# Altium PCB SDR_V21.PcbDoc (part 3 of 4) (continued)
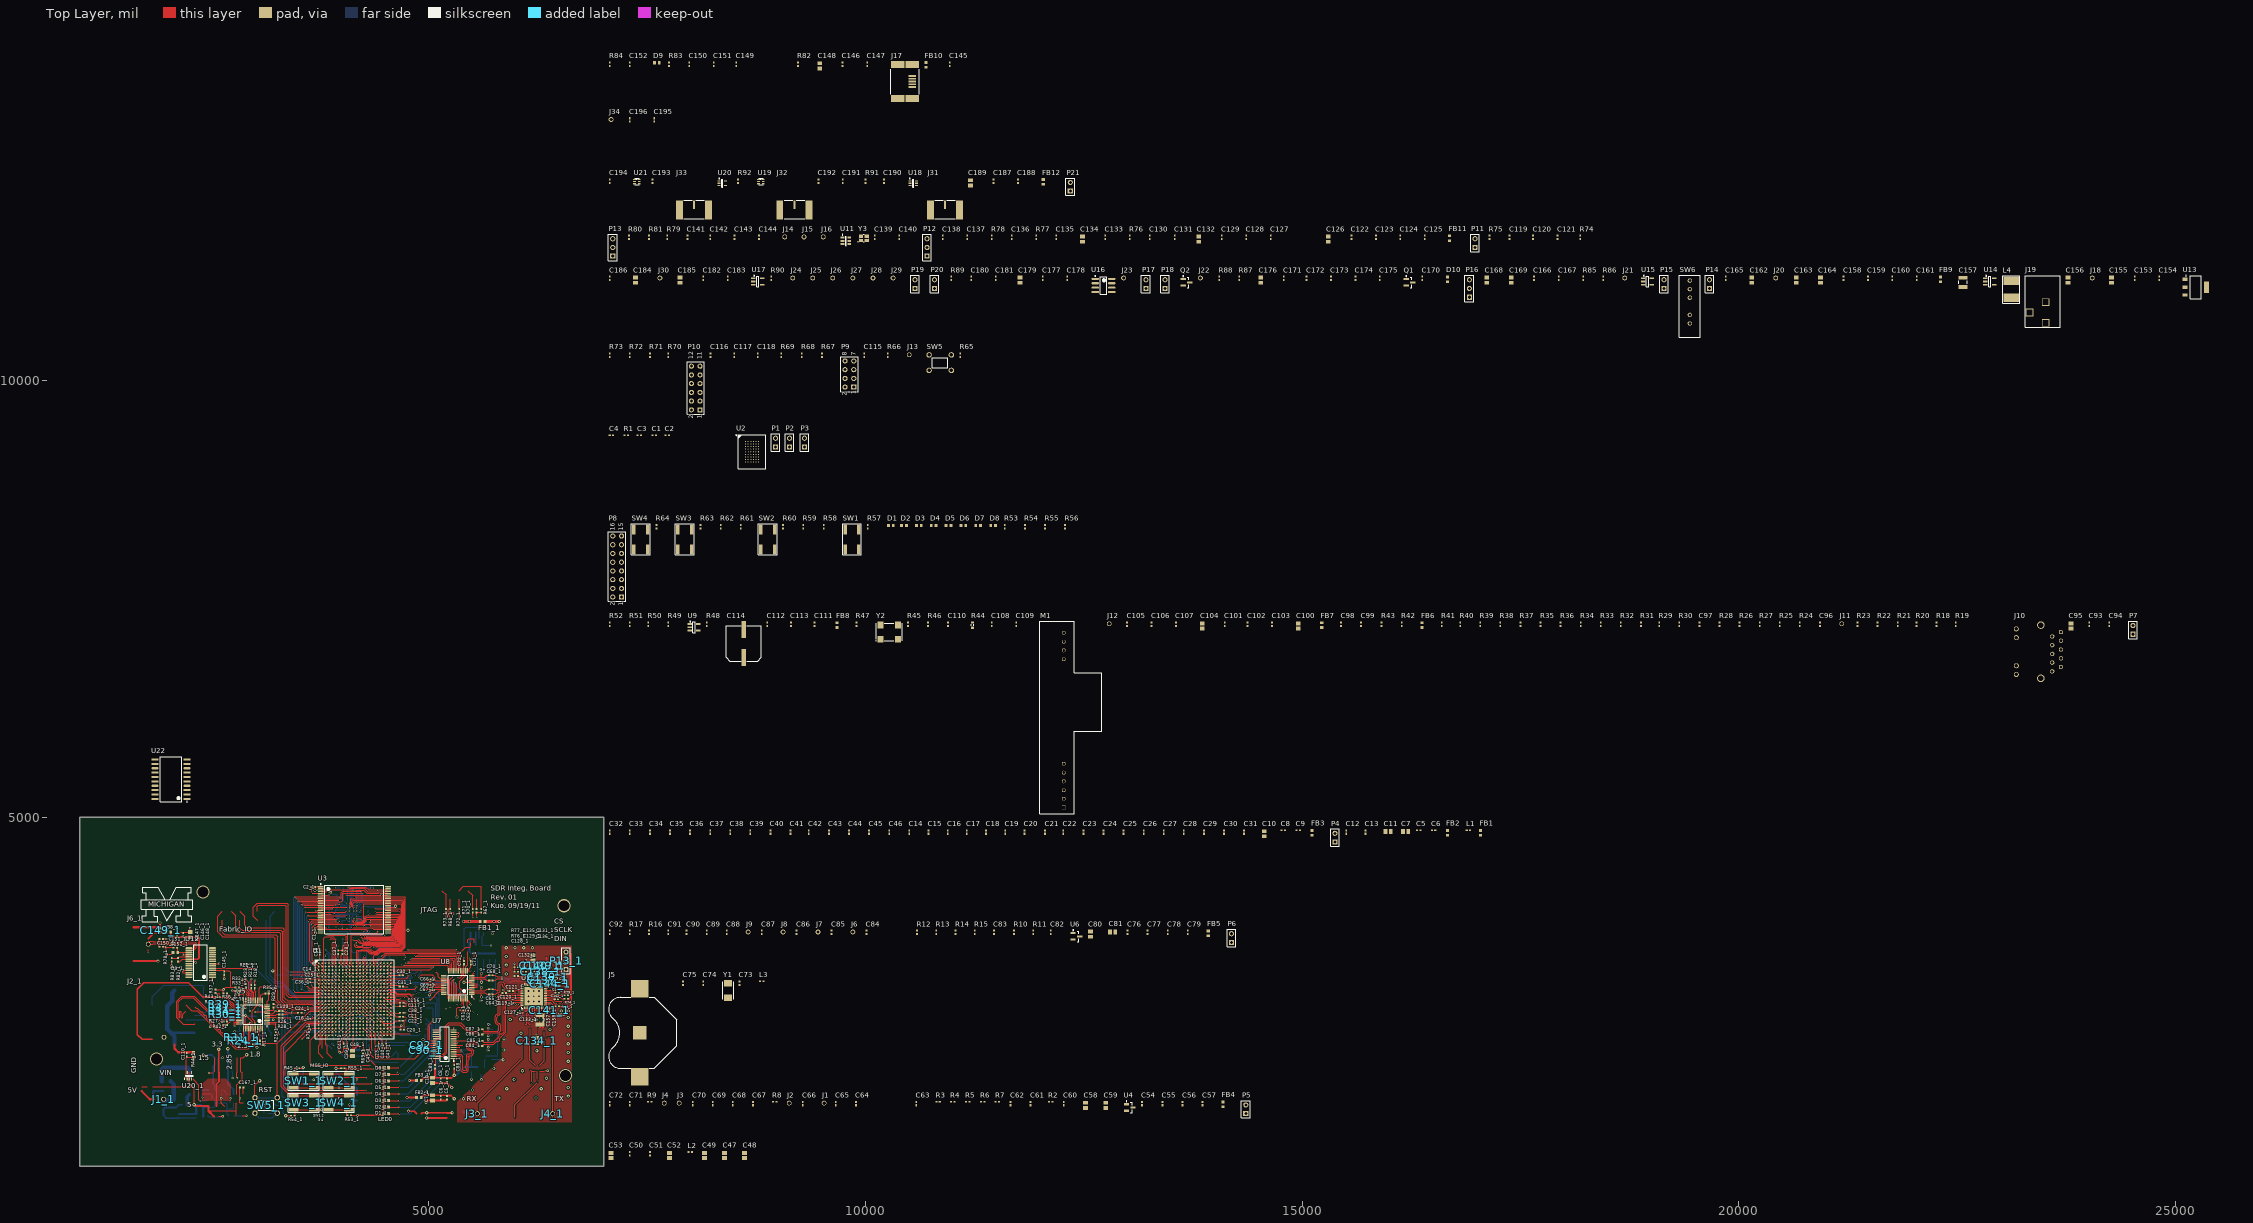
[diagram p0: Top Layer view]
## Nets (pads, with @x,y where several pads share a name; then routed paths per layer and width w, separated by ;. In a path a pad name is that pad's centre, name@x,y a point inside that pad or via, vN(x,y) a via of type N, cw(c..) or ccw(c..) an arc to the next point about the centre after c; other vN are vias at no path point) (continued)
v1(4464.96,2954.37) ; 4445.28,2974.06 v1(4464.96,2993.74) ; 4445.28,3013.43 v1(4464.96,3033.11) ; 4445.28,3052.8 v1(4464.96,3072.48) ; 4445.28,3092.17 v1(4465,3111.89) ; 4445.28,3131.54 4463.74,3150 v1(4465,3150) ; 4445.28,3170.91 v1(4464.96,3190.59) ; 4445.28,3249.65 v1(4465,3269.37) ; 4445.28,3289.02 v1(4464.96,3308.7) ; 4445.28,3328.39 v1(4464.96,3348.07) ; v1(4460,3405) 4460.5,3404.5 4496.5,3440.5 5339.5,3440.5 5359.53,3420.47 5359.53,3241.42 ; 4484.65,2619.72 v1(4504.33,2600.04) ; 4484.65,2816.57 v1(4504.33,2796.89) ; 4484.65,2855.95 v1(4504.33,2836.26) ; 4484.65,2895.32 v1(4504.33,2875.63) ; 4484.65,2934.69 4504.33,2915 4595,2915 4610,2900 4735,2900 4805,2830 4805,2720 v1(4830,2695) ; 4484.65,2974.06 v1(4504.33,2993.74) ; 4484.65,3013.43 v1(4505,3033.78) ; 4484.65,3052.8 v1(4505,3073.15) ; 4484.65,3092.17 v1(4505,3112.52) ; 4484.65,3131.54 v1(4504.33,3151.22) ; 4484.65,3289.02 v1(4504.33,3308.7) ; v1(4505,2445) 4510,2440 4510,2399.69 ; 4522.95,3930.16 4530.83,3930.16 v1(4659.84,3930.16) ; 4524.02,2737.83 v1(4543.7,2718.15) ; 4524.02,2777.2 v1(4543.7,2757.52) 4582.48,2757.52 4625,2715 4665.31,2715 ; 4524.02,2816.57 v1(4543.7,2796.89) ; 4524.02,2895.32 v1(4543.7,2875.63) 4660.94,2875.63 ; 4524.02,2934.69 4543.7,2954.37 4740.63,2954.37 4809.5,2885.5 4809.5,2849.5 4855,2804 v1(4855,2635) ; 4524.02,2974.06 4543.7,2993.74 4601.26,2993.74 4625,2970 4775,2970 4850,2895 v1(4850,2840) ; 4524.02,3013.43 4541.36,3030.77 4835.77,3030.77 v1(4860,3055) ; 4524.02,3052.8 v1(4543.7,3072.48) 4652.83,3072.48 4665.31,3060 ; 4524.02,3092.17 4545,3113.15 4601.85,3113.15 v1(4625,3090) ; 4524.02,3131.54 4543.7,3151.22 4741.22,3151.22 4760,3170 v1(4760,3190) ; 4524.02,3170.91 v1(4543.7,3190.59) 4669.72,3190.59 ; 4524.02,3210.28 v1@4546.04,3232.3 ; 4524.02,3249.65 v1(4544.37,3270) ; 4524.02,3289.02 v1(4543.7,3308.7) ; 4537.56,1605 v1(4660,1605) ; 4537.56,1680 v1(4660,1680) ; 4537.56,1755 v1(4660,1755) ; 4537.56,1905 v1(4660,1905) ; 4537.56,1980 v1(4660,1980) ; 4537.56,2055 v1(4660,2055) ; 4537.56,2130 v1(4660,2130) ; 4542.56,1830 v1(4660,1830) ; v1(4543.7,2560.67) 4524.02,2580.35 4543.66,2600 4660,2600 4675.31,2584.69 4675.31,2565 ; 4563.39,2501.61 v1(4583.07,2481.93) ; 4563.39,2580.35 v1(4583.07,2560.67) ; 4563.39,2698.46 v1(4583.07,2678.78) ; 4563.39,2737.83 v1(4583.07,2718.15) ; 4563.39,2816.57 v1@4588.43,2816.57 ; 4563.39,2855.95 v1(4583.07,2836.26) ; 4563.39,2934.69 4605.31,2934.69 4625,2915 v1@4665,2915 ; 4563.39,2974.06 v1(4589.06,2974.06) ; 4563.39,3013.43 4601.57,3013.43 4635,2980 4779.14,2980 4794.14,2965 v1(4825,2965) ; 4563.39,3052.8 v1(4587.8,3052.8) ; 4563.39,3092.17 v1(4587.83,3092.17) ; 4563.39,3210.28 v1(4583.07,3229.96) 4694.04,3229.96 4699.69,3224.32 4699.69,3190 ; 4563.39,3249.65 5010,3249.65 v1@5030.35,3270 ; 4563.39,3289.02 v1(5055.98,3289.02) ; 4563.39,3328.39 v1(4583.07,3348.07) ; v1(4619,2836) 4620,2835 4670.31,2835 ; v1(4619.5,2755.5) 4665.81,2755.5 ; 4670.31,2845 4670.31,2875 ; 4704.69,2675 4699.69,2670 4724,2670 ; 4704.69,2715 v1(4739,2715) ; 4704.69,2755 4708.69,2759 v1(4736,2759) ; 4704.69,3060 4745,3060 v1(4750.5,3054.5) ; 4709.69,2835 4740,2835 v1(4740,2871) 4736,2875 4709.69,2875 ; v1(4710,3305) 5211.73,3305 5221.73,3295 5221.73,3241.42 ; 4714.69,2565 4714.69,2660.68 4724,2670 ; v1(4735,3325) 5226.42,3325 5241.42,3310 5241.42,3241.42 ; v1(4740,2686) 4724,2670 ; v1(4760,3345) 5246.1,3345 5261.1,3330 5261.1,3241.42 ; v1(4760,3480) v1(5310,3480) ; v1(4785,3365) 5265,3365 5280.79,3349.21 5280.79,3241.42 ; v1(4810,3385) 5290,3385 5300.47,3374.53 5300.47,3241.42 ; v1(4835,3405) 5310,3405 5320.16,3394.84 5320.16,3241.42 ; v1(4860,3425) 5325,3425 5339.84,3410.16 5339.84,3241.42 ; v1(4938,3035) 4997.44,3035 5012.44,3020 ; 4955.31,2387.5 4955.31,2369.69 4962.5,2362.5 5077.64,2362.5 5138.5,2362.5 v1(5139,2363) ; v1(4974,3074) 4976,3076 5008.44,3076 ; v1(4974,3145.5) 4979.5,3140 5012.44,3140 ; v1(5010,2605) 5010,2447.48 5020,2437.48 5075.49,2437.48 ; v1(5011,2907) 5012,2906 5117.1,3011.1 5168.58,3011.1 ; 5012.44,3080 5008.44,3076 ; v1(5035,2655) 4990,2610 4990,2430 5007.52,2412.48 5075.49,2412.48 ; v1(5075,3230) 5105,3200 5105,3170 5126.1,3148.9 5168.58,3148.9 5170.21,3150.53 5210.47,3150.53 5210.47,3109.53 5168.58,3109.53 ; 5075.49,2462.48 5132.52,2462.48 v1(5135,2460) ; 5075.49,2487.48 5132.52,2487.48 v1(5135,2485) ; 5075.49,2512.48 5132.52,2512.48 v1(5135,2510) ; 5075.49,2562.48 v1(5132.48,2562.48) ; 5077.97,2535 v1(5135,2535) ; 5168.58,3050.47 5033.97,3050.47 5008.44,3076 ; v1(5195,3855) 5195,3910.31 ; v1(5220,3180) 5221.73,3178.27 5221.73,2919.57 5221.73,2918.58 ; 5240,2920 5240,3140 v1(5265,3165) ; v1(5245,3855) 5220,3880 5220,3945 5224.69,3949.69 5245,3949.69 ; 5245,3910.32 5271.69,3910.32 5285,3897 v1(5285,3889) ; 5261.1,2918.58 5261.1,2919.57 5261.1,3121.1 v1(5265,3125) ; 5280.79,2918.58 5280.79,2919.57 5280.79,3135.79 v1(5290,3145) ; 5284.51,2312.5 v1(5374.5,2312.5) ; 5284.51,2362.5 5357.5,2362.5 v1(5360,2365) ; 5284.51,2387.5 v1@5392.5,2387.5 ; 5284.51,2412.48 5326.48,2412.48 v1(5330,2416) ; 5284.51,2437.48 v1@5427.48,2437.48 ; 5284.51,2487.48 5339.52,2487.48 5339.52,2511.48 v1(5339,2512) ; 5284.51,2537.48 5337.52,2537.48 5339,2536 v1(5339,2512) ; 5284.99,2512 v1(5339,2512) ; 5285,2562.97 v1(5285,2585) ; v1(5293,3190) 5369,3190 5379.21,3200.21 5379.21,3240.43 5379.21,3241.42 ; v1(5300,3105) 5300.47,3104.53 5300.47,2918.58 ; 5320,2918.74 v1(5320,3085) ; 5339.84,2918.58 5339.84,2969.84 v1(5365,2995) ; v1(5345,3855) 5345,3910.31 ; 5345,4160 5391,4206 5590,4206 5600,4196 5600,3949.69 ; 5359.53,2918.58 5359.53,2919.57 5359.53,2969.53 5365,2975 v1(5385,2975) ; v1(5369,2852) 5379.21,2862.21 5379.21,2918.58 ; v1(5420,3152) 5442.79,3129.21 5490.43,3129.21 5491.42,3129.21 ; v1(5435,3030) 5435.79,3030.79 5490.43,3030.79 5491.42,3030.79 ; v1(5441,3610) 5442.6,3608.4 5442.6,3559.21 ; v1@5442.8,3608.6 5517.4,3608.6 5517.4,3559.21 ; 5491.42,2971.73 5491.42,2945.42 v1(5519,2917.83) ; 5491.42,3188.27 5521,3217.85 v1(5521,3223) ; v1(5500,3855) 5500,3910.32 ; v1(5516,3404) 5517.4,3405.4 5517.4,3460.79 ; v1(5545,3855) 5545,3910.31 ; v1(5771,2945) 5779.39,2945 5806.89,2972.5 5827.81,2972.5 5840.31,2985 ; v1(5895,3010) 5920.31,3010 ; v1(5905,2845) 5905,2854.68 5920.31,2870 ; v1(5965,2760) 6046.73,2841.73 6065.16,2841.73 ; v1(6035.5,2855) 6035.5,2860.5 6036.42,2861.42 6067.13,2861.42 ; 6111.42,2817.13 6111.42,2788.58 ; v1(6115,2770) 6111.42,2773.58 6111.42,2788.58 ; 6131.1,2817.13 6131.1,2791.1 6128.58,2788.58 6111.42,2788.58 ; v1(6175,1960) 6175,2090.32 ; v1(6190,2770) 6190.16,2770.16 6190.16,2817.13 ; 6229.53,2817.13 6229.53,2745.47 v1(6235,2745.5) ; v1(6285.9,2774) 6288.58,2776.69 6288.58,2817.13 ; v1(6310,2760) 6310,2813.43 ; 6332.87,2900.79 6404.21,2900.79 6440,2865 v1(6470,2865) ; 6489.69,2835 6605,2835 6635,2865 6635,3440 ; 6589.69,2920 6610,2920 6625,2935 6625,3325 ; 6589.69,2960 6589.69,2985.31
  Top Layer w8: v3@1994,3510 2075.32,3510 ; 2114.69,3510 2122.56,3502.13 2122.56,3460 ; 2215,2780 2180,2745 2180,2710 2175,2705 2165,2705 2160,2710 2160,2775 2145,2775 2145,2710 2137.73,2702.73 2130,2710.46 2130,2885 2177.27,2932.27 2302.27,2932.27 2543.76,2690.79 2823.58,2690.79 ; 2215,2851.65 2285,2781.65 2347.9,2781.65 2782.54,2347 2929.09,2347 2954.63,2372.54 2954.63,2539.16 2955.47,2540 2955.47,2578.58 ; 2215,2878.3 2215,2880 ; 2315,2631.7 2315,2630 2185,2630 2112,2703 2112,2892.46 2169.82,2950.27 2309.73,2950.27 2549.53,2710.47 2823.58,2710.47 ; 2315,2830 2333.56,2811.44 2343.56,2811.44 2392.1,2762.9 cw(c2402,2753) 2411.9,2743.1 2431.7,2723.3 cw(c2441.6,2713.4) 2451.49,2703.51 2471.29,2683.71 cw(c2481.19,2673.81) 2491.09,2663.91 2510.89,2644.11 cw(c2520.79,2634.21) 2530.69,2624.31 2550.49,2604.51 cw(c2560.39,2594.61) 2570.29,2584.71 2590.09,2564.91 cw(c2599.99,2555.01) 2609.89,2545.11 2629.69,2525.31 cw(c2639.59,2515.41) 2649.48,2505.52 2669.28,2485.72 cw(c2679.18,2475.82) 2689.08,2465.92 2708.88,2446.12 cw(c2718.78,2436.22) 2728.68,2426.32 2790,2365 2921.63,2365 2936.63,2380 2936.63,2539.16 2935.79,2540 2935.79,2578.58 ; 2604.68,2900 2695,2900 2786.1,2808.9 2823.58,2808.9 ; 2604.69,2940 2680.31,2940 2791.72,2828.58 2823.58,2828.58 ; 2684.69,2620 2735.79,2671.1 2823.58,2671.1 ; 2684.69,2660 2684.69,2688.47 ; 2684.69,2710.79 2684.69,2740 ; 2685,2780 2735,2780 2765.16,2749.84 2823.58,2749.84 ; 2685,2820 2725,2820 2775.47,2769.53 2823.58,2769.53 ; 2685,2860 2715,2860 2785.79,2789.21 2823.58,2789.21 ; 2685,2980 2691.85,2980 2823.58,2848.27 ; 2824.69,3010 2865,3010 2916.1,2958.9 2916.1,2901.42 ; 2824.69,3050 2855,3050 2935.79,2969.21 2935.79,2901.42 ; v1(2825,2945) 2825,2950 2824.69,2950.31 2824.69,2970 2865,2970 2876.73,2958.27 2876.73,2901.42 ; 2904.69,3140 2935,3109.69 2935,3030.11 2975.16,2989.96 2975.16,2901.42 ; 2905,2439.69 2936.32,2439.69 ; 2905,3050.31 2905,3030 2955.47,2979.53 2955.47,2901.42 ; 2954.94,2439.69 2985,2439.69 ; 2965,3040.31 2965,3020 2994.84,2990.16 2994.84,2901.42 ; 3005,3040.31 3005,3010 3014.53,3000.47 3014.53,2901.42 ; 3073.58,2901.42 3073.58,2958.58 3095,2980 3125.31,2980 ; 3146.42,2631.73 3233.27,2631.73 3245,2620 3245,2579.68 ; 3146.42,2710.47 3244.53,2710.47 3255,2700 3285.31,2700 ; 3146.42,2730.16 3245.16,2730.16 3255,2740 3285.31,2740 ; 3147.2,2790 3146.42,2789.21 3214.21,2789.21 3220,2795 3220,2820.31 ; v3(4927,3069) 4927,3081 4956,3110 5037.56,3110 5067.56,3080 ; 5980.31,3230 v3(5980.31,3320.68) ; 6102.44,2625.59 6117,2625.59 6117,2747 6150.79,2780.79 6150.79,2817.13 ; v1(6131,3113) 6131.1,3112.9 6131.1,3082.87 ; 6155,2435.32 6155,2218.86 6215.39,2158.46 ; 6157.56,2477.24 6157.56,2574.41 ; 6157.56,2625.59 6149.41,2625.59 6135,2640 6135,2739.54 6170.47,2775.02 6170.47,2817.13 ; 6160,2105.31 6172.8,2092.52 6215.39,2092.52 ; 6249.21,2817.13 6249.21,2755.33 6270,2734.54 6270,2699.68 ; 6263.03,2595 6281,2595 6281,2629 6270,2640 6270,2660.31 ; 6268.9,2817.13 6268.9,2761.1 6310,2720 6310,2699.68 ; 6288.58,3082.87 6288.58,3131.58 6298,3141 v3(6298,3143) ; 6310,2660.31 6310,2640 6299,2629 6299,2595 6316.97,2595 ; 6317.56,2477.13 6317.56,2544.41 ; 6332.87,2999.21 6409.21,2999.21 v1(6445,3035) ; 6332.87,3018.9 6395,3018.9 v1(6401.1,3025) ; 6332.87,3038.58 v1(6371.42,3038.58) ; 6358.27,3058.27 6422.27,3058.27 v3(6456,3092)
  Top Layer w9: 5555,1560.71 5555,1725 6070,2240 6070,2429.69 6115.31,2475 ; 5985,1560.71 5985,1705.32 6240,1960.32 ; 6240,1999.69 6240,2091.54 ; 6266.57,2158.46 6320,2211.89 6320,2435.32 ; 6359.69,2475 6400,2475 6415,2460 6415,1560.71
  Top Layer w10: 1785,3545 1835,3545 1840.75,3550.75 1905,3550.75 ; 1785,3576.5 1835,3576.5 1840.75,3570.75 1905,3570.75 ; 1915.31,3515 1905,3525.31 1905,3550.75 ; 1915.31,3605 1905,3594.68 1905,3570.75 ; 1990,3430.31 2047.76,3430.31 2067.44,3450 ; 2055,3384.68 2125,3384.68 2139.29,3398.98 2250.16,3398.98 ; 2125,3345.31 2145.31,3345.31 2173.39,3373.39 2250.16,3373.39 ; 2131.56,3451 2249.31,3451 2250.16,3450.16 ; 2250.16,3475.75 2307.69,3475.75 2335,3503.05 2335,3553.28 2317.54,3570.75 1905,3570.75 ; 2250.16,3501.34 2305,3501.34 2315,3511.34 2315,3545 2309.25,3550.75 2215,3550.75 cw(c2205,3550.75) 2195,3550.75 2175,3550.75 cw(c2165,3550.75) 2155,3550.75 2135,3550.75 cw(c2125,3550.75) 2115,3550.75 2095,3550.75 cw(c2085,3550.75) 2075,3550.75 2055,3550.75 cw(c2045,3550.75) 2035,3550.75 2015,3550.75 cw(c2005,3550.75) 1995,3550.75 1905,3550.75 ; 2292.4,2002.6 2365,1930 2365,1765 v8(2380,1750) ; v5(2500,2840) 2500,2880 2520,2900 2560.31,2900 ; 2519.84,3245.43 2652.13,3245.43 ; v5(2600,2660) 2645.32,2660 ; v5(2600,2740) 2645.32,2740 ; 2655,3242.56 2707.44,3242.56 2727.66,3222.34 2727.66,3050 ; 2823.74,2730 v2(2900,2730) 2975.16,2654.84 2975.16,2579.57 2975.16,2578.58 ; 2896.42,2578.58 v2@2896.42,2726.42 ; 3065,2400.31 3080.32,2385 v5(3118,2385) ; 3093.27,2578.58 3093.27,2421.73 3107.05,2407.95 3262.95,2407.95 ; 3146.42,2749.84 3146.57,2750 3210,2750 v5(3240,2780) 3285.31,2780 ; 3245,2540.31 3266.32,2519 v5(3285,2519) ; v2(3360,1580) 3420.31,1580 ; 3469.53,1580 3469.53,1632.56 ; 3469.53,2077.44 3469.53,2125 ; 3509.69,2125 v2@3550,2125 ; v8(3690,3655) 3690,3685.32 ; v2(3695,4160) 3694.69,4160.31 3694.69,4200 3700.43,4205.75 3767.05,4205.75 ; 3698.62,3733.31 3767.05,3733.31 ; v2(3935,2125) 3995.31,2125 ; v3@3975,2308 v3(3978,2308) ; 4025,2365.32 4025,2355.32 ; v1(4031.89,2481.93) 3974,2424.04 3974,2312 v3(3978,2308) ; 4050.47,2060 4050.47,2125 ; 4055.47,1585 4055.47,1650.47 4056.26,1651.26 4060,1655 ; 4104.69,1585 v2(4180,1585) ; 4125,2265.47 4074.53,2265.47 4065,2275 4065,2355.32 4025,2355.32 ; 4300,2290.32 4318.69,2290.32 4376,2233 v1(4378,2233) 4835.44,2233 v3(4906,2303.56) 4932.44,2330 ; 4465,2360.32 4510,2360.32 v1(4541.31,2360.32) ; 4522.95,3969.53 4530.83,3969.53 4604.53,3969.53 v2(4615,3980) ; v3(4890,3165) 4890,3170 4915,3195 5040,3195 5067.56,3167.44 5067.56,3140 ; v2@4942.56,2442.44 4952.56,2442.44 4994.69,2400.31 4994.69,2387.5 5077.64,2387.5 ; 5059.69,3020 5070.47,3030.79 5168.58,3030.79 ; 5060.05,3140 5067.56,3140 ; 5075.49,2262.5 5077.64,2262.5 5165.78,2262.5 5205,2301.72 5205,2596.72 5233.28,2625 5355,2625 5450,2530 5550,2530 5550,2522.44 5562.44,2510 ; 5075.49,2287.48 5162.48,2287.48 5185,2310 5185,2605 5225,2645 5363.28,2645 5458.28,2550 5550,2550 5562.44,2562.44 5562.44,2570 ; 5145,4160 5195,4110 5195,3949.69 ; 5168.58,3070.16 5069.53,3070.16 5059.69,3080 5069.53,3089.84 5168.58,3089.84 ; 5168.58,3129.21 5078.35,3129.21 5067.56,3140 ; 5245,3949.69 5245,4060 ; 5284.51,2262.5 5325,2262.5 5327.49,2264.99 5355,2264.99 5365,2254.99 5365,2101.72 5386.72,2080 5433.28,2080 5450,2096.72 5450,2220 ccw(c5446.19,2235) 5450,2250 5450,2270 5487.26,2270 5511.12,2293.86 5511.12,2326.14 5487.26,2350 5462.14,2350 5450,2362.14 5450,2391.72 5464.14,2405.86 5536.58,2405.86 5562.44,2380 ; 5284.51,2287.48 5325,2287.48 5327.49,2284.99 5363.28,2284.99 5385,2263.27 5385,2110 5395,2100 5425,2100 5430,2105 5430,2115 cw(c5449.94,2140) 5430,2165 5430,2279.14 5440.86,2290 5478.98,2290 5491.12,2302.14 5491.12,2317.86 5478.98,2330 5453.86,2330 5430,2353.86 5430,2400 5455.86,2425.86 5556.17,2425.86 5570.31,2440 ; 5284.51,2337.48 v4(5367.48,2337.48) ; v2@5322.44,2710 v2(5320,2710) 5320,2810 5334.69,2824.68 5395,2824.68 ; v1(5329.5,3160) 5360,3160 5398.9,3198.9 5398.9,3314.21 ; 5345,3949.69 5345,4060 ; v4(5355,2795) 5364.69,2785.32 5450,2785.32 ; 5398.9,2918.58 5400,2917.48 5400,2824.68 ; 5400,3354.68 v4(5400,3390) ; v2@5400.47,3109.53 5491.42,3109.53 ; 5418.58,2918.58 5418.58,2919.57 5418.58,2971.42 5350,3040 5350,3120 5418.58,3188.58 5418.58,3240.43 5418.58,3288.58 5442.6,3312.6 5442.6,3460.79 ; 5438.27,2918.58 5438.27,2906.73 ; 5438.27,2919.57 5438.27,2906.73 ; 5445,4160 5500,4105 5500,3949.69 ; 5450,2824.69 5438.27,2836.42 5438.27,2906.73 ; v4(5475,2855) 5475,2870 5438.27,2906.73 ; v4(5475,3390) 5475,3354.69 5480,3349.68 ; v4(5478.58,3241.42) 5438.27,3241.42 5480,3283.15 5480,3310.31 ; 5491.42,2991.42 5638.58,2991.42 5660,2970 5682.44,2970 ; 5491.42,3011.1 5641.1,3011.1 5660,3030 5682.44,3030 ; 5491.42,3050.47 5549.53,3050.47 5549.84,3050.79 5549.84,3070.16 ; 5491.42,3070.16 5549.84,3070.16 ; 5491.42,3089.84 5549.84,3089.84 5549.84,3070.16 ; 5491.42,3148.9 5641.1,3148.9 5660,3130 5682.44,3130 ; 5491.42,3168.58 5600,3168.58 ; 5545,3910.31 5600,3910.31 ; 5545,3949.69 5545,4060 ; v2(5600,2940) 5600,2991.1 ; 5600,3011.42 v2(5600,3050) ; v2(5600,3110) 5600,3148.58 ; v2@5600,3220 v2(5600,3210) ; v2@5605,3210 v2(5600,3210) ; 5609.69,2380 5629.69,2400 5680,2400 ; 5609.69,2440 5629.69,2420 5680,2420 ; 5609.69,2510 5629.69,2530 ; 5609.69,2570 5629.69,2550 ; 5630,2530 5680,2530 ; 5630,2550 5679,2550 ; v3(5680,2365) 5680,2400 ; v3(5680,2455) 5680,2420 ; v3(5680,2495) 5680,2530 ; v3(5680,2585) 5679,2584 5679,2550 ; 5682.44,3190 5660,3190 5638.58,3168.58 5600,3168.58 ; 5737.56,2970 5760,2970 5780,2990 5798.28,2990 5815,3006.72 5815,3090 5820,3095 5835,3095 5845,3085 5845,3065 5875,3035 6050.02,3035 6053.28,3038.27 6065.16,3038.27 ; 5737.56,3030 5760,3030 5780,3010 5790,3010 5795,3015 5795,3098.28 5811.72,3115 5843.28,3115 5865,3093.28 5865,3073.28 5883.28,3055 6041.73,3055 6045,3058.27 6065.16,3058.27 ; 5737.56,3130 5760,3130 5780,3150 5832,3150 v4(5835,3147) ; 5737.56,3190 5760,3190 5780,3170 5832,3170 v4(5835,3173) ; v3(5850,3020) 5879.69,2990.32 5879.69,2985 ; 5885.16,2979.53 6067.13,2979.53 ; 5959.69,3010 5990,3010 ; v3(5990,2855) 5974.68,2855 5959.69,2870 5970.79,2881.1 6067.13,2881.1 ; 5990,2979.53 5990,3010 ; 6019.69,3180 6140,3180 6150.79,3169.21 6150.79,3082.87 ; 6019.69,3230 6070.31,3230 6070.31,3209.68 6080,3200 6160,3200 6170.47,3189.53 6170.47,3082.87 ; 6019.69,3280 6070.31,3280 ; v1@6020.79,2999.21 6067.13,2999.21 ; 6059.69,2760 6080,2760 ; v3(6060,2705) 6060,2710 6080,2730 6080,2760 ; 6067.13,2900.79 5885.79,2900.79 5880,2895 5880,2536.72 5806.57,2463.28 cw(c5789.71,2451.86) 5778.28,2435 5743.28,2400 5680,2400 ; 6067.13,2920.47 5870.47,2920.47 5860,2910 5860,2545 5829.85,2514.85 ccw(c5820.56,2495.86) 5801.57,2486.57 5735,2420 5680,2420 ; 6067.13,2940.16 5948.44,2940.16 5948.28,2940 5823.28,2940 5814.14,2930.86 5814.14,2745 cw(c5804.14,2745) 5807.24,2735.49 ccw(c5823.73,2685) 5807.24,2634.51 cw(c5804.14,2625) 5814.14,2625 5814.14,2545.86 5798.28,2530 5680,2530 ; 6067.13,2959.84 5940.16,2959.84 5940,2960 5815,2960 5794.14,2939.14 5794.14,2751.86 ccw(c5823.73,2685) 5794.14,2618.14 5794.14,2554.14 5790,2550 5679,2550 ; 6067.13,3018.9 5998.9,3018.9 5990,3010 ; 6091.73,2815.16 6091.73,2771.73 6080,2760 ; 6091.73,3084.84 6091.73,3136.73 v1(6110,3155) ; 6110.32,2475 6115.31,2475 ; 6111.42,3082.87 v1(6111.42,3128.58) ; 6209.69,3083.03 6209.69,3230 6209.69,3280 ; 6229.53,3082.87 6229.53,3179.53 6260.31,3210.31 6260.31,3230 6270,3239.69 6270,3280.31 ; 6249.21,3082.87 6249.21,3169.21 6299.69,3219.68 6299.69,3230 6299.69,3239.68 6320,3260 6320,3280.31 ; 6266.57,2092.52 6322.2,2092.52 ; 6268.9,3082.87 6270,3083.98 6270,3160 6280,3170 6340.31,3170 ; 6308.27,3084.84 6308.27,3118.27 6320,3130 6340.31,3130 6340.31,3170 ; 6332.87,2861.42 6378.58,2861.42 v4(6380,2860) ; 6332.87,2881.1 6388.9,2881.1 6430.31,2839.68 6450.31,2839.68 ; 6332.87,2920.47 6439.53,2920.47 ; 6332.87,2940.16 6499.84,2940.16 6520,2920 6550.31,2920 ; 6332.87,2959.84 6333.56,2959.16 6549.47,2959.16 6550.31,2960 ; 6332.87,2979.53 6419.53,2979.53 6430,2990 6450.31,2990 6450.31,3010.31 6460,3020 v3(6525,3020) ; 6334.84,2841.73 6368.27,2841.73 6380,2830 6380,2809.69 v4(6419.69,2809.69) ; 6334.84,3058.27 6358.27,3058.27 6370.31,3070.31 6370.31,3090 ; v3(6360,3210) 6340.31,3190.31 6340.31,3170 ; 6440.31,2915 6440.31,2899.69 6450,2890 6515,2890 v4(6530,2875) ; v3(3978,2308) 3980,2310 4010,2310 4025,2325 4025,2355.32 ; 5600,3168.58 v2(5600,3210)
  Top Layer w12: 1712.56,1915 1775.47,1915 ; 1835,1915 2285,1915 ; 1954.68,3515 v3(1989,3515) ; 1954.68,3605 v3(1991,3605) ; v3(2054,3299) 2055,3299 2055,3335.47 ; 2115,3682.56 2263.03,3682.56 2263.03,3729.03 v3(2264,3730) ; v3(2182,3428) 2185.43,3424.57 2250.16,3424.57 ; 2217.6,2002.6 2217.6,2252.91 2225,2260.32 ; 2225,2252.44 2303.03,2252.44 2303.03,2216.97 v3(2304,2216) ; 2250.16,3219.84 2182.16,3219.84 2181.57,3220.43 v3(2181.57,3245.43) 2250.16,3245.43 ; 2250.16,3347.8 2317.2,3347.8 v3(2330,3335) ; 2255,2077.4 2255,1945 2285,1915 ; v6(2310,1705) 2310,1890 2285,1915 ; 2479.53,1640 2791.61,1640 ; v3(2480,2070) 2530.47,2070 ; 2519.84,3322.2 2595.2,3322.2 2596,3323 ; 2545.32,2084.84 2545.32,2165 2545.32,2245 ; 2555,2985.32 2589.68,2985.32 2599.68,2975.32 2599.68,2940 ; 2555,3024.69 v2(2644.69,3024.69) ; 2560,2854.68 2589.68,2854.68 2599.68,2864.68 2599.68,2900 ; 2564.69,2820 v2(2605.16,2820) 2645.63,2820 ; 2594.53,1575 2636,1575 v3(2637,1574) ; v3(2622,1781) 2622,1724 2655,1691 ; 2644.69,2980.94 v2(2644.69,3024.69) ; 2645.32,2620 2645.32,2587.68 v3(2646,2587) ; 2645.63,2780 2645.63,2820 ; 2645.63,2860 2645.63,2820 ; v3(2655,3149) 2655,3187.44 ; v3(2747,3014) 2781.32,3014 2785.32,3010 2785.32,2970 ; v3(2771.27,2608.73) 2771.27,2631.73 ; v3(2776,2545) 2776,2529.32 2825.31,2480 ; v6(2785,2435) v6@2791,2435 ; 2785.32,3050 2727.66,3050 2670,3050 v2(2644.69,3024.69) ; v6@2790,2440 2865.32,2440 ; 2791.61,1588.86 2791.61,1640 ; 2797.6,1730.79 2791.61,1724.8 2791.61,1640 ; 2797.6,1829.21 2797.6,1938.07 2859.53,2000 2859.53,2080 ; v3(2800,2012) 2800.47,2012.47 2800.47,2070 ; 2805.32,2074.84 2805.32,2165 2805.32,2245 ; 2823.58,2631.73 2771.27,2631.73 ; 2823.58,2651.42 2771.42,2651.42 2771.27,2651.27 2771.27,2631.73 ; 2835.32,1905 2835.32,1780.32 v3(2835,1780) 2835,1730.79 2872.4,1730.79 ; 2859.53,1580 v3(2909,1580) ; 2859.53,2070 2844.69,2084.84 2844.69,2245 2875,2245 v6(2910,2280) ; 2864.68,2480 2876.73,2492.05 2876.73,2578.58 ; 2874.69,1831.5 2874.69,1905 ; v3(2896.42,2815.42) 2896.42,2901.42 ; 2985,2395.32 2995.68,2395.32 v2(3031,2360) ; v3(3006,2769) 3145.89,2769 ; 3053.9,2578.58 3053.9,2450.79 3065,2439.68 ; 3073.58,2578.58 3073.58,2579.57 v2@3073.58,2653.58 ; 3146.42,2848.27 3146.42,2892.42 3164.68,2910.68 3164.68,2980 3164,2980.68 v3(3164,3009) ; 3324.68,2780 3343,2780 3361,2762 v3(3432,2762) 3498.32,2762 ; 3450.83,1651.26 3679.17,1651.26 ; 3450.83,1808.74 3679.17,1808.74 v3(3764.74,1808.74) 3850.83,1808.74 4079.17,1808.74 ; 3450.83,1901.26 3679.17,1901.26 3850.83,1901.26 v3(3969.74,1901.26) 4079.17,1901.26 ; 3450.83,2058.74 3679.17,2058.74 ; 3850.83,1651.26 4056.26,1651.26 4079.17,1651.26 ; 3850.83,2058.74 4079.17,2058.74 ; 4245,2295.32 4410.31,2130 4482.44,2130 ; v2(4930,2455) v2@4942.56,2442.44 ; 4987.56,2330 5005.06,2312.5 5075.49,2312.5 ; v2(5005,2965) 5063.12,3016.1 ; 5075.49,2173.05 5075.49,2237.5 ; 5290,2167.56 5290,2232.01 ; 6209.84,2817.13 6209.84,2730.16 6229.69,2710.31 6229.69,2680 6229.69,2479.21 ; 6325,2100.32 6330.31,2095 v3(6360,2095)
  Top Layer w20: 1785,3607.99 1854.45,3677.44 1979.88,3677.44 1987.44,3685 ; 1831.93,2455.98 1714.02,2455.98 1660,2510 1660,3030 1735,3105 2245,3105 2410,2940 2560.31,2940 ; 2042.56,3685 2042.56,3637.44 2052.56,3627.44 2263.03,3627.44 ; 2250.16,3373.39 2353.39,3373.39 2365,3385 2365,3615 2354.53,3625.47 2265,3625.47 ; 2565,1691 2565,1939 2594.53,1968.53 2594.53,2075 ; 2592.56,2076.97 v6(2592.56,2342.44) ; 4130.31,2329.84 4180.47,2380 v3(4205,2380) ; v2(4180,1585) 4462.44,1585 4482.44,1605 4482.44,1680 4482.44,1755 4482.44,1830 4482.44,1905 4482.44,1980 4482.44,2055 4482.44,2130 ; v2(4749,1789) 4853.44,1789 ; v2(4765,1633) 4829.44,1633 4854.94,1607.5 4857.44,1605 ; v2(4775,1985) 4857.44,1985 ; 4912.56,1605 4922.09,1614.53 5203.03,1614.53 ; 4912.56,1785 4942.09,1814.53 5203.03,1814.53 ; 4912.56,1985 4942.09,2014.53 5040,2014.53 5045,2014.53 ; v2(4965,1735) 4985.47,1755.47 5203.03,1755.47 ; v2@4975.47,1555.47 5203.03,1555.47 5203.5,1555 ; 5045,1955.47 5209.53,1955.47 v2(5260,1905) ; 5070,2112.44 5070,2039.53 5045,2014.53 ; 5203.03,2014.53 5045,2014.53 ; 5205,1612.56 5262.56,1612.56 v2(5265,1615) ; 5205,1812.56 5252.44,1812.56 v2(5290,1775) ; 5205,2012.56 5257.56,2012.56 v2(5290,2045) 5290,2112.44 ; v3(6110,3360) 6110.47,3360.47 6190,3360.47 6209.69,3340.79 6209.69,3280 ; 6320,3319.68 6346.42,3346.1 6346.42,3394.72
  Top Layer w25: 1617.68,3351.1 1785,3351.1 1896,3351.1 v2(1896,3351) ; 1617.68,3738.9 1918.66,3738.9 v2(1918.66,3787.34) ; 1710,1862.44 1802.44,1770 1841.89,1770 ; 2085.08,2394.96 2085.08,2349.92 2127.44,2307.56 2303.03,2307.56 ; v6(2310,1705) 2324,1691 2475,1691 2475,1635.47 2535.47,1575
  Top Layer w30: v2(5395,3805) v2(5465,3805) 5587.44,3805 ; 5642.56,3805 v2(5745,3805) v2(5805,3805)
  DGND w5: v1(3795.67,2600.04) 3815.63,2620 3894.37,2620 v1(3913.78,2639.41) ; v1(3910,2385) 3916,2385 3942,2359 v1(3992,2359) 3993,2360 v1(4111,2360) 4119,2352 4306,2352 v1(4315,2361) 4366,2361 v1(4413,2314) v1(4413,2100) ; v1(4386.22,2639.41) 4386.22,2678.78 v1(4425.59,2718.15) 4481.85,2718.15 4501.7,2738 4563.22,2738 v1(4583.07,2718.15) ; v1(4583.07,2481.93) 4504.33,2560.67 v1(4504.33,2600.04) 4504.33,2670.33 4512.78,2678.78 v1(4583.07,2678.78)
  DGND w10: v3@4887.94,3170 v3@4893.44,3164.5